# Allegro board SDHCalFEB20180110.brd (continued)
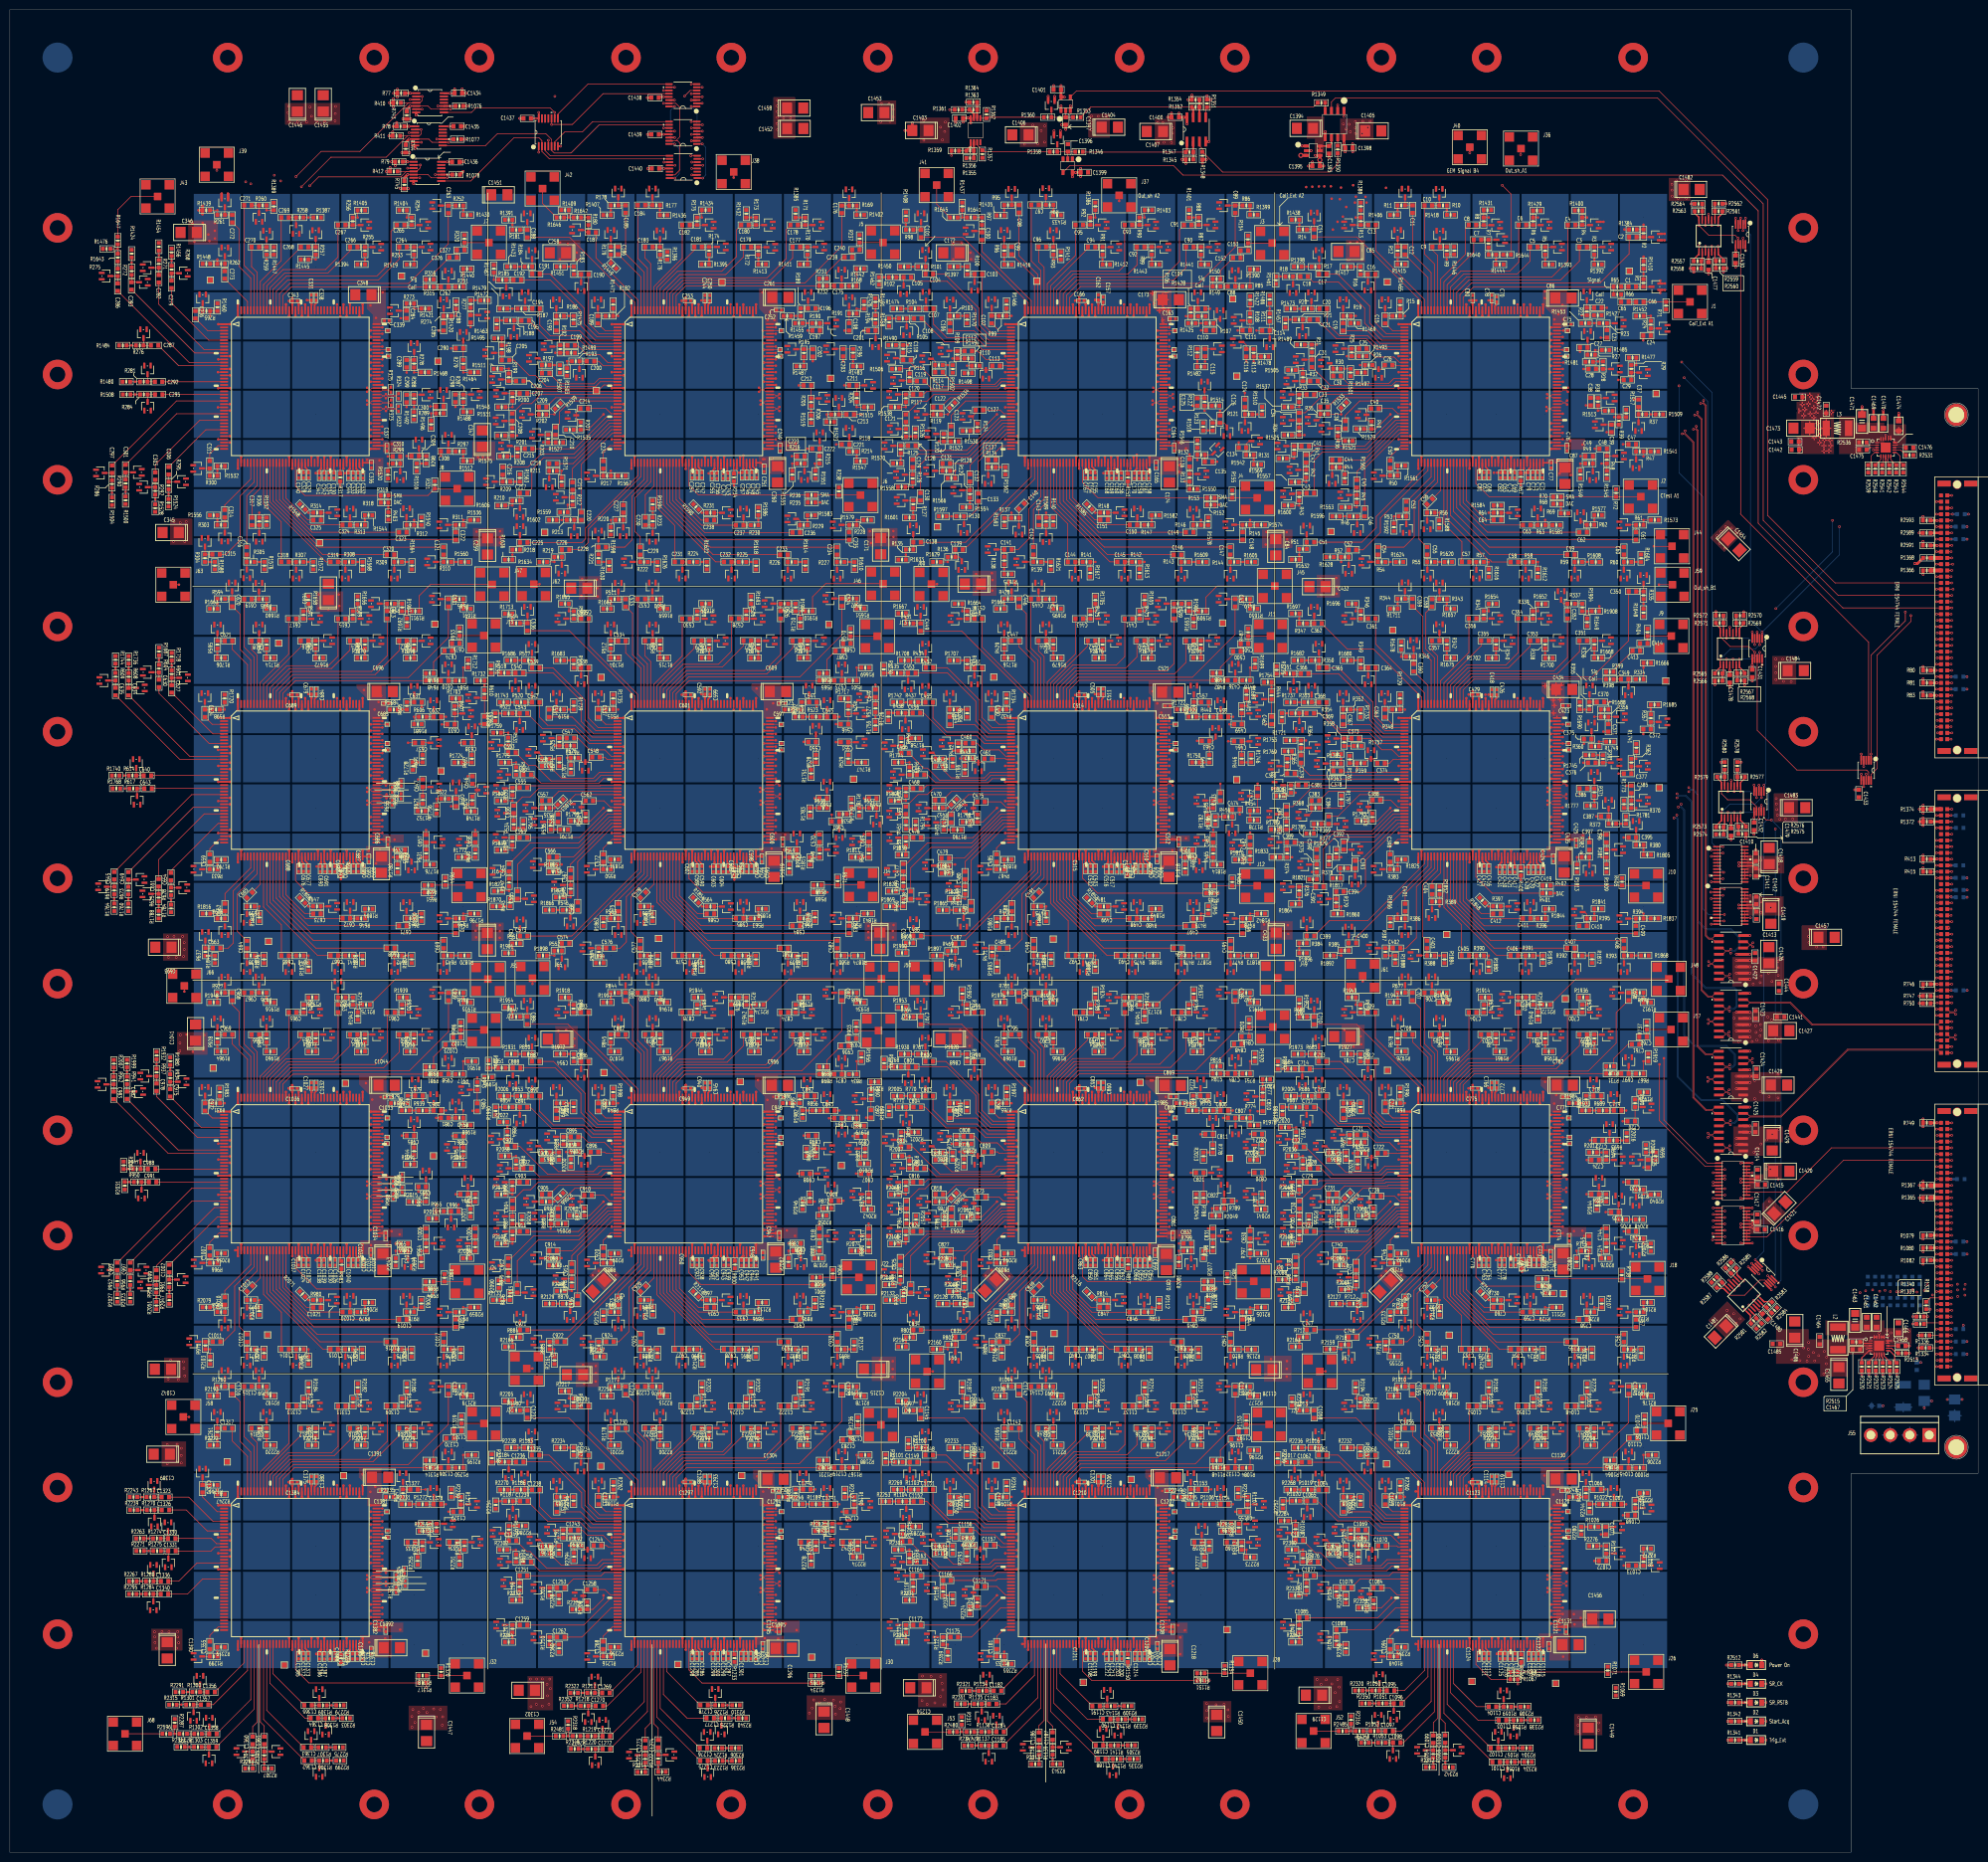
[diagram p0: board, top side]
## Routing (per net, layer and track width the routed paths; a pad name or vN(x,y) marks a point on that pad's centre or on a via; arc(x,y) is an arc through that point) (continued)
  SIG1 w0.127: v2(332.71,125.91) 334.2,124.42 v4(346.24,124.42)
  SIG2 w0.127: v2(72.65,129.05) 82.02,129.05 82.7,128.37 131.78,128.37 132.45,129.05 v2(152.66,129.05) 160.74,129.05 163.22,126.57 186.89,126.57 188.77,128.45 213.56,128.45 214.17,129.05 v2(232.67,129.05) 240.77,129.05 241.43,128.4 294.03,128.4 294.68,129.05 v2(312.68,129.05) 325.79,129.05 328.93,125.91 v2(332.71,125.91)
PWR_ON_DAC_D: length 352.4
  TOP w0.127: U1040.87 v1(73.38,49.04) ; U845.87 v1(313.41,49.04) ; U910.87 v1(233.4,49.04) ; U1053.12 v4(348.73,123.77) ; U975.87 v1(153.39,49.04)
  GND1 w0.127: v1(153.39,49.04) v2(152.66,49.04) ; v1(313.41,49.04) v2(312.68,49.04) ; v1(73.38,49.04) v2(72.65,49.04) ; v1(233.4,49.04) v2(232.67,49.04)
  SIG2 w0.127: v2(72.65,49.04) v2(152.66,49.04) v2(232.67,49.04) v2(312.68,49.04) 336.29,49.04 347.93,60.68 347.93,122.97 v4(348.73,123.77)
RAZ_CHNN: length 47.7
  TOP w0.102: v4(395.62,166.02) 395.33,165.72 394.5,165.72 J34.A4 ; U1056.7 353.21,161.49 353.74,160.97 354.06,160.97 v4(354.36,161.26)
  SIG2 w0.102: v4(395.62,166.02) 395.33,165.72 362.21,165.72 357.48,160.99 354.63,160.99 v4(354.36,161.26)
RAZ_CHNN_A: length 425.9
  TOP w0.102: U65.96 315.54,294.92 315.76,294.7 316.36,294.7 v1(316.66,295) ; v1(232.36,295) 232.66,294.7 233.42,294.7 233.63,294.92 U130.96 ; R323.2 77.13,294.7 75.73,294.7 75.51,294.92 U260.96 73.61,294.92 73.4,294.7 72.95,294.7 v1(72.65,295) ; U1056.9 346.76,162.76 346.23,162.24 344.9,162.24 343.26,163.88 343.26,289 342.93,289.32 v4(342.93,289.75) ; v1(152.66,295) 152.96,294.7 153.41,294.7 153.62,294.92 U195.96
  GND1 w0.102: v1(316.66,295) 316.95,294.7 317.72,294.7 v2(318.09,295.07) ; v2(233.79,295.07) 233.42,294.7 232.66,294.7 v1(232.36,295) ; v1(72.65,295) 72.95,294.7 73.71,294.7 v2(74.08,295.08) ; v2(154.09,295.07) 153.72,294.7 152.96,294.7 v1(152.66,295)
  SIG2 w0.102: v2(74.08,295.08) 74.45,294.7 78.4,294.7 78.97,295.27 128.27,295.27 128.84,294.7 153.72,294.7 v2(154.09,295.07) 154.46,294.7 169.58,294.7 170.1,295.22 209.09,295.22 209.61,294.7 233.42,294.7 v2(233.79,295.07) 234.16,294.7 254.62,294.7 258.01,291.31 286.51,291.31 289.9,294.7 317.72,294.7 v2(318.09,295.07) 318.37,294.79 322.73,294.79 323.91,293.61 338.62,293.61 342.49,289.75 v4(342.93,289.75)
RAZ_CHNN_B: length 349.1
  TOP w0.102: v1(236.49,214.99) 236.2,214.69 235.75,214.69 235.53,214.91 U390.96 ; v1(156.56,214.99) 156.26,214.69 155.74,214.69 155.52,214.91 U455.96 ; U325.96 315.54,214.91 315.76,214.69 316.21,214.69 v1(316.51,214.99) ; U1056.12 348.28,158.95 348.81,159.48 349.43,159.48 v4(349.73,159.18) ; R656.2 79.15,214.68 76.91,214.68 v1(76.6,214.99) 76.3,214.69 75.73,214.69 75.51,214.91 U520.96
  GND1 w0.102: v2(157.93,215.06) 157.56,214.69 156.86,214.69 v1(156.56,214.99) ; v2(78.01,215.06) 77.64,214.69 76.9,214.69 v1(76.6,214.99) ; v1(236.49,214.99) 236.79,214.69 237.26,214.69 v2(237.63,215.06) ; v1(316.51,214.99) 316.8,214.69 317.45,214.69 v2(317.82,215.06)
  SIG2 w0.102: v2(78.01,215.06) 78.38,214.69 81.29,214.69 81.74,215.14 126.8,215.14 127.24,214.69 157.56,214.69 v2(157.93,215.06) 158.3,214.69 161.1,214.69 161.54,215.14 206.48,215.14 206.92,214.69 237.26,214.69 v2(237.63,215.06) 238,214.69 255.79,214.69 256.62,213.87 265.1,213.87 266.36,215.13 286.6,215.13 287.03,214.69 317.45,214.69 v2(317.82,215.06) 318.19,214.69 318.94,214.69 319.56,214.07 338.33,214.07 339.43,212.97 v4(339.84,212.97)
  BOTTOM w0.102: v4(349.73,159.18) 350.03,159.48 350.41,159.48 350.89,159.96 350.89,162.14 349.07,163.96 342.67,163.96 340.58,166.05 340.58,211.82 339.84,212.56 v4(339.84,212.97)
RAZ_CHNN_C: length 301
  TOP w0.102: R989.2 79.41,134.68 76.77,134.68 v1(76.48,134.98) 76.18,134.68 75.73,134.68 75.51,134.9 U780.96 ; U585.96 315.54,134.9 315.76,134.68 316.21,134.68 v1(316.51,134.98) ; v4(345.27,157.45) 345.57,157.16 346.26,157.16 346.79,157.68 U1056.13 ; U715.96 155.52,134.9 155.74,134.68 156.19,134.68 v1(156.49,134.98) ; U650.96 235.53,134.9 235.75,134.68 236.22,134.68 v1(236.52,134.98)
  GND1 w0.102: v2(237.76,135.05) 237.39,134.68 236.82,134.68 v1(236.52,134.98) ; v1(156.49,134.98) 156.78,134.68 157.23,134.68 v2(157.6,135.05) ; v2(77.64,135.05) 77.27,134.68 76.77,134.68 v1(76.48,134.98) ; v2(317.72,135.05) 317.35,134.68 316.81,134.68 v1(316.51,134.98)
  SIG1 w0.102: v4(345.27,157.45) 344.97,157.16 340.49,157.16 329.2,145.86 329.2,143.78 320.1,134.68 318.09,134.68 v2(317.72,135.05)
  SIG2 w0.102: v2(317.72,135.05) 317.35,134.68 287.24,134.68 286.77,135.15 258.09,135.15 257.62,134.68 238.13,134.68 v2(237.76,135.05) 237.39,134.68 207.46,134.68 206.96,135.18 177.44,135.18 176.95,134.68 157.98,134.68 v2(157.6,135.05) 157.23,134.68 127.12,134.68 126.77,135.02 79.45,135.02 79.11,134.68 78.01,134.68 v2(77.64,135.05)
RAZ_CHNN_D: length 389.2
  TOP w0.102: U845.96 315.54,54.89 315.76,54.67 316.21,54.67 v1(316.51,54.97) ; v1(236.5,54.97) 236.2,54.67 235.75,54.67 235.53,54.89 U910.96 ; R1322.2 79.98,54.69 76.76,54.69 v1(76.48,54.97) 76.18,54.67 75.73,54.67 75.51,54.89 U1040.96 ; U1056.16 348.28,153.87 348.81,154.39 349.32,154.39 v4(349.61,154.1) ; U975.96 155.52,54.89 155.74,54.67 156.19,54.67 v1(156.49,54.97)
  GND1 w0.102: v2(77.59,55.06) 77.21,54.67 76.77,54.67 v1(76.48,54.97) ; v1(236.5,54.97) 236.8,54.67 237.24,54.67 v2(237.62,55.04) ; v1(316.51,54.97) 316.81,54.67 317.25,54.67 v2(317.63,55.04) ; v1(156.49,54.97) 156.78,54.67 157.23,54.67 v2(157.6,55.04)
  SIG2 w0.102: v4(349.61,154.1) 349.91,154.4 350.22,154.4 350.79,153.83 350.79,153.23 350.2,152.64 345.15,152.64 343.12,150.61 343.12,63.13 334.67,54.69 317.98,54.69 v2(317.63,55.04) 317.25,54.67 237.99,54.67 v2(237.62,55.04) 237.24,54.67 157.98,54.67 v2(157.6,55.04) 157.25,54.69 77.97,54.69 v2(77.59,55.06)
RAZ_CHNP: length 47.7
  TOP w0.102: U1056.6 353.21,160.22 353.74,160.75 354.06,160.75 v4(354.36,160.45) ; J34.A3 394.5,165.5 395.33,165.5 v4(395.62,165.2)
  SIG2 w0.102: v4(354.36,160.45) 354.67,160.77 357.57,160.77 362.3,165.5 395.33,165.5 v4(395.62,165.2)
RAZ_CHNP_A: length 425.9
  TOP w0.102: R323.1 77.11,294.49 75.73,294.49 75.51,294.27 U260.95 73.61,294.27 73.4,294.49 72.95,294.49 v1(72.65,294.19) ; U130.95 233.63,294.27 233.42,294.49 232.66,294.49 v1(232.36,294.19) ; v1(316.66,294.19) 316.36,294.49 315.76,294.49 315.54,294.27 U65.95 ; U1056.10 346.76,161.49 346.23,162.02 344.81,162.02 343.04,163.79 343.04,288.91 342.78,289.17 v4(342.36,289.17) ; v1(152.66,294.19) 152.96,294.49 153.41,294.49 153.62,294.27 U195.95
  GND1 w0.102: v1(232.36,294.19) 232.66,294.49 233.42,294.49 v2(233.79,294.12) ; v2(154.09,294.12) 153.72,294.49 152.96,294.49 v1(152.66,294.19) ; v2(74.08,294.12) 73.71,294.49 72.95,294.49 v1(72.65,294.19) ; v1(316.66,294.19) 316.95,294.49 317.72,294.49 v2(318.09,294.12)
  SIG2 w0.102: v4(342.36,289.17) 342.36,289.57 338.53,293.4 323.82,293.4 322.64,294.58 318.55,294.58 v2(318.09,294.12) 317.72,294.49 289.99,294.49 286.6,291.1 257.92,291.1 254.53,294.49 234.16,294.49 v2(233.79,294.12) 233.42,294.49 209.52,294.49 209,295.01 170.19,295.01 169.67,294.49 154.46,294.49 v2(154.09,294.12) 153.72,294.49 128.75,294.49 128.18,295.06 79.06,295.06 78.49,294.49 74.45,294.49 v2(74.08,294.12)
RAZ_CHNP_B: length 348.3
  TOP w0.102: U325.95 315.54,214.26 315.76,214.48 316.21,214.48 v1(316.51,214.18) ; v1(236.49,214.18) 236.2,214.48 235.75,214.48 235.53,214.26 U390.95 ; v1(156.56,214.18) 156.26,214.48 155.74,214.48 155.52,214.26 U455.95 ; U520.95 75.51,214.26 75.73,214.48 76.3,214.48 v1(76.6,214.18) 76.89,214.46 79.16,214.46 R656.1 ; U1056.11 348.28,160.22 348.81,159.7 349.43,159.7 v4(349.73,159.99)
  GND1 w0.102: v1(156.56,214.18) 156.86,214.48 157.56,214.48 v2(157.93,214.1) ; v1(76.6,214.18) 76.9,214.48 77.64,214.48 v2(78.01,214.1) ; v1(316.51,214.18) 316.8,214.48 317.45,214.48 v2(317.82,214.1) ; v2(237.63,214.1) 237.26,214.48 236.79,214.48 v1(236.49,214.18)
  SIG2 w0.102: v2(78.01,214.1) 78.38,214.48 81.38,214.48 81.83,214.92 126.71,214.92 127.15,214.48 157.56,214.48 v2(157.93,214.1) 158.3,214.48 161.19,214.48 161.63,214.92 206.39,214.92 206.83,214.48 237.26,214.48 v2(237.63,214.1) 238,214.48 255.7,214.48 256.53,213.65 265.19,213.65 266.45,214.91 286.51,214.91 286.94,214.48 317.45,214.48 v2(317.82,214.1) 318.19,214.48 318.85,214.48 319.47,213.85 338.24,213.85 339.27,212.83 v4(339.27,212.39)
  BOTTOM w0.102: v4(349.73,159.99) 350.03,159.7 350.32,159.7 350.68,160.05 350.68,162.05 348.98,163.74 342.58,163.74 340.36,165.96 340.36,211.73 339.7,212.39 v4(339.27,212.39)
RAZ_CHNP_C: length 301
  TOP w0.102: v1(236.52,134.17) 236.22,134.47 235.75,134.47 235.53,134.25 U650.95 ; U780.95 75.51,134.25 75.73,134.47 76.18,134.47 v1(76.48,134.17) 76.77,134.47 79.4,134.47 R989.1 ; v1(316.51,134.17) 316.21,134.47 315.76,134.47 315.54,134.25 U585.95 ; U715.95 155.52,134.25 155.74,134.47 156.19,134.47 v1(156.49,134.17) ; v4(345.27,156.64) 345.57,156.94 346.26,156.94 346.79,156.41 U1056.14
  GND1 w0.102: v2(77.64,134.1) 77.27,134.47 76.77,134.47 v1(76.48,134.17) ; v1(156.49,134.17) 156.78,134.47 157.23,134.47 v2(157.6,134.1) ; v2(317.72,134.1) 317.35,134.47 316.81,134.47 v1(316.51,134.17) ; v1(236.52,134.17) 236.82,134.47 237.39,134.47 v2(237.76,134.1)
  SIG1 w0.102: v4(345.27,156.64) 344.97,156.94 340.58,156.94 329.41,145.77 329.41,143.69 320.19,134.47 318.09,134.47 v2(317.72,134.1)
  SIG2 w0.102: v2(77.64,134.1) 78.01,134.47 79.2,134.47 79.54,134.81 126.68,134.81 127.03,134.47 157.23,134.47 v2(157.6,134.1) 157.98,134.47 177.04,134.47 177.53,134.96 206.87,134.96 207.37,134.47 237.39,134.47 v2(237.76,134.1) 238.13,134.47 257.71,134.47 258.18,134.94 286.68,134.94 287.15,134.47 317.35,134.47 v2(317.72,134.1)
RAZ_CHNP_D: length 389.9
  TOP w0.102: v1(156.49,54.16) 156.19,54.46 155.74,54.46 155.52,54.24 U975.95 ; v1(316.51,54.16) 316.21,54.46 315.76,54.46 315.54,54.24 U845.95 ; U910.95 235.53,54.24 235.75,54.46 236.2,54.46 v1(236.5,54.16) ; U1040.95 75.51,54.24 75.73,54.46 76.18,54.46 v1(76.48,54.16) 76.79,54.47 80,54.47 R1322.1 ; U1056.15 348.28,155.14 348.82,154.61 349.31,154.61 v4(349.61,154.91)
  GND1 w0.102: v2(317.63,54.08) 317.25,54.46 316.81,54.46 v1(316.51,54.16) ; v2(157.6,54.08) 157.23,54.46 156.78,54.46 v1(156.49,54.16) ; v1(236.5,54.16) 236.8,54.46 237.24,54.46 v2(237.62,54.08) ; v1(76.48,54.16) 76.77,54.46 77.24,54.46 v2(77.59,54.1)
  SIG2 w0.102: v4(349.61,154.91) 349.91,154.62 350.31,154.62 351,153.92 351,153.14 350.29,152.43 345.24,152.43 343.33,150.52 343.33,63.04 334.76,54.47 318.01,54.47 v2(317.63,54.08) 317.25,54.46 237.99,54.46 v2(237.62,54.08) 237.24,54.46 157.98,54.46 v2(157.6,54.08) 157.22,54.47 77.97,54.47 v2(77.59,54.1)
READOUT1_A1TOA2: length 91.3
  TOP w0.127: TP23.1 236.82,304.02 U130.110 v1(233.4,304.02) ; U65.112 v1(315.77,305.32) 316.57,305.32 TP15.1
  GND1 w0.127: v2(232.66,304.02) v1(233.4,304.02) ; v1(315.77,305.32) v2(316.51,305.32)
  SIG2 w0.127: v2(316.51,305.32) 270.52,305.32 269.52,304.32 237.39,304.32 237.09,304.02 v2(232.66,304.02)
READOUT1_A2TOA3: length 87.2
  TOP w0.127: v1(153.39,304.02) 154.57,304.02 U195.110 156.69,304.02 SRD4.1 ; v1(233.4,305.32) U130.112 236.75,305.32 TP24.1
  GND1 w0.127: v1(233.4,305.32) v2(232.66,305.32) ; v1(153.39,304.02) v2(154.13,304.02)
  SIG2 w0.127: v2(154.13,304.02) 157.11,304.02 157.56,304.47 196.47,304.47 197.32,305.32 v2(232.66,305.32)
READOUT1_A3TOA4: length 88.9
  TOP w0.127: TP35.1 156.63,305.32 U195.112 v1(153.39,305.32) ; v1(73.38,304.02) U260.110 76.98,304.02 TP45.1
  GND1 w0.127: v1(73.38,304.02) v2(72.64,304.02) ; v1(153.39,305.32) v2(152.65,305.32)
  SIG2 w0.127: v2(72.64,304.02) 106.15,304.02 107.45,305.32 v2(152.65,305.32)
READOUT1_B1TOB2: length 91.9
  TOP w0.127: TP56.1 237.06,224.01 U390.110 234.58,224.01 v1(233.4,224.01) ; U325.112 v1(315.77,225.31) 316.94,225.31 RD.1
  GND1 w0.127: v1(315.77,225.31) v2(316.51,225.31) ; v1(233.4,224.01) v2(232.66,224.01)
  SIG2 w0.127: v2(232.66,224.01) 250.12,224.01 250.6,224.49 267.92,224.49 268.74,225.31 v2(316.51,225.31)
READOUT1_B2TOB3: length 87.7
  TOP w0.127: TP67.1 156.92,224.01 U455.110 154.57,224.01 v1(153.39,224.01) ; TP57.1 234.59,225.31 U390.112 v1(233.4,225.31)
  GND1 w0.127: v1(233.4,225.31) v2(232.66,225.31) ; v1(153.39,224.01) v2(154.13,224.01)
  SIG2 w0.127: v2(154.13,224.01) 184.06,224.01 185.35,225.31 v2(232.66,225.31)
READOUT1_B3TOB4: length 89
  TOP w0.127: v1(153.39,225.31) U455.112 156.92,225.31 TP68.1 ; TP78.1 76.81,224.01 U520.110 v1(73.38,224.01)
  GND1 w0.127: v1(153.39,225.31) v2(152.65,225.31) ; v1(73.38,224.01) v2(72.64,224.01)
  SIG2 w0.127: v2(152.65,225.31) 101.08,225.31 99.78,224.01 v2(72.64,224.01)
READOUT1_C1TOC2: length 89.6
  TOP w0.127: U650.110 v1(233.4,144) ; U585.112 v1(315.78,145.3) 317.14,145.3 TP90.1
  GND1 w0.127: v1(315.78,145.3) v2(316.51,145.3) ; v1(233.4,144) v2(232.67,144)
  SIG2 w0.127: v2(232.67,144) 239.53,144 239.93,144.4 266.73,144.4 267.64,145.31 315.95,145.31 315.97,145.3 v2(316.51,145.3)
READOUT1_C2TOC3: length 86.6
  TOP w0.127: U650.112 v1(233.4,145.3) ; v1(153.39,144) U715.110 156.79,144 TP111.1
  GND1 w0.127: v1(153.39,144) v2(152.66,144) ; v1(233.4,145.3) v2(232.67,145.3)
  SIG2 w0.127: v2(232.67,145.3) 184.97,145.3 183.67,144 v2(152.66,144)
READOUT1_C3TOC4: length 88.7
  TOP w0.127: TP124.1 76.68,144 U780.110 v1(73.38,144) ; v1(153.39,145.3) U715.112 156.79,145.3 TP112.1
  GND1 w0.127: v1(73.38,144) v2(72.65,144) ; v1(153.39,145.3) v2(152.66,145.3)
  SIG2 w0.127: v2(72.65,144) 102.6,144 103.9,145.3 v2(152.66,145.3)
READOUT1_D1TOD2: length 87.9
  TOP w0.127: U845.112 v1(315.78,65.29) 316.89,65.29 TP136.1 ; U910.110 v1(233.4,63.99)
  GND1 w0.127: v1(315.78,65.29) v2(316.51,65.29) ; v1(233.4,63.99) v2(234.14,63.99)
  SIG2 w0.127: v2(234.14,63.99) 263.61,63.99 264.91,65.29 v2(316.51,65.29)
READOUT1_D2TOD3: length 85.2
  TOP w0.127: TP155.1 156.82,63.99 U975.110 v1(153.39,63.99) ; U910.112 v1(233.4,65.29)
  GND1 w0.127: v1(233.4,65.29) v2(232.67,65.29) ; v1(153.39,63.99) v2(154.13,63.99)
  SIG2 w0.127: v2(154.13,63.99) 187.69,63.99 188.99,65.29 v2(232.67,65.29)
READOUT1_D3TOD4: length 87.5
  TOP w0.127: v1(73.38,63.99) U1040.110 76.86,63.99 TP168.1 ; TP156.1 156.82,65.29 U975.112 v1(153.39,65.29)
  GND1 w0.127: v1(153.39,65.29) v2(152.66,65.29) ; v1(73.38,63.99) v2(74.12,63.99)
  SIG2 w0.127: v2(152.66,65.29) 106.51,65.29 105.21,63.99 v2(74.12,63.99)
READOUT2_A1TOA2: length 80.5
  TOP w0.127: v1(235.76,304.67) U130.111 ; U65.113 v1(313.41,305.97)
  GND1 w0.127: v1(313.41,305.97) v2(312.67,305.97) ; v2(236.5,304.67) v1(235.76,304.67)
  SIG2 w0.127: v2(236.5,304.67) 237.04,305.21 268.88,305.21 269.65,305.97 v2(312.67,305.97)
READOUT2_A2TOA3: length 84.4
  TOP w0.127: U130.113 v1(235.76,305.97) ; v1(155.75,304.67) 154.57,304.67 U195.111
  GND1 w0.127: v1(235.76,305.97) v2(236.5,305.97) ; v2(156.49,304.67) v1(155.75,304.67)
  SIG2 w0.127: v2(156.49,304.67) 157.05,305.23 194.54,305.23 195.28,305.97 v2(236.5,305.97)
READOUT2_A3TOA4: length 84.4
  TOP w0.127: U260.111 v1(75.74,304.67) ; U195.113 v1(155.75,305.97)
  GND1 w0.127: v1(75.74,304.67) v2(76.48,304.67) ; v1(155.75,305.97) v2(156.49,305.97)
  SIG2 w0.127: v2(156.49,305.97) 105.94,305.97 104.65,304.67 v2(76.48,304.67)
READOUT2_B1TOB2: length 80.5
  TOP w0.127: U390.111 234.58,224.66 v1(235.76,224.66) ; U325.113 v1(313.41,225.96)
  GND1 w0.127: v1(235.76,224.66) v2(236.5,224.66) ; v1(313.41,225.96) v2(312.68,225.96)
  SIG2 w0.127: v2(312.68,225.96) 267.49,225.96 266.65,225.12 249.99,225.12 249.53,224.66 v2(236.5,224.66)
READOUT2_B2TOB3: length 84.4
  TOP w0.127: U455.111 154.57,224.66 v1(155.75,224.66) ; U390.113 v1(235.76,225.96)
  GND1 w0.127: v1(155.75,224.66) v2(156.49,224.66) ; v1(235.76,225.96) v2(236.5,225.96)
  SIG2 w0.127: v2(156.49,224.66) 183.33,224.66 184.63,225.96 v2(236.5,225.96)
READOUT2_B3TOB4: length 84.4
  TOP w0.127: U520.111 v1(75.74,224.66) ; U455.113 v1(155.75,225.96)
  GND1 w0.127: v1(75.74,224.66) v2(76.48,224.66) ; v1(155.75,225.96) v2(156.49,225.96)
  SIG2 w0.127: v2(76.48,224.66) 96.67,224.66 97.97,225.96 v2(156.49,225.96)
READOUT2_C1TOC2: length 80.5
  TOP w0.127: U650.111 v1(235.76,144.65) ; U585.113 v1(313.41,145.95)
  GND1 w0.127: v1(235.76,144.65) v2(236.5,144.65) ; v1(313.41,145.95) v2(312.68,145.95)
  SIG2 w0.127: v2(312.68,145.95) 265.36,145.95 264.59,145.19 239.7,145.19 239.16,144.65 v2(236.5,144.65)
READOUT2_C2TOC3: length 84.4
  TOP w0.127: U650.113 v1(235.76,145.95) ; U715.111 v1(155.75,144.65)
  GND1 w0.127: v1(235.76,145.95) v2(236.5,145.95) ; v1(155.75,144.65) v2(156.49,144.65)
  SIG2 w0.127: v2(236.5,145.95) 184.41,145.95 183.11,144.65 v2(156.49,144.65)
READOUT2_C3TOC4: length 84.4
  TOP w0.127: U780.111 v1(75.74,144.65) ; U715.113 v1(155.75,145.95)
  GND1 w0.127: v1(75.74,144.65) v2(76.48,144.65) ; v1(155.75,145.95) v2(156.49,145.95)
  SIG2 w0.127: v2(76.48,144.65) 101.44,144.65 102.74,145.95 v2(156.49,145.95)
READOUT2_D1TOD2: length 80.5
  TOP w0.127: U845.113 v1(313.41,65.94) ; U910.111 v1(235.76,64.64)
  GND1 w0.127: v1(313.41,65.94) v2(312.68,65.94) ; v1(235.76,64.64) v2(236.5,64.64)
  SIG2 w0.127: v2(312.68,65.94) 263.7,65.94 262.4,64.64 v2(236.5,64.64)
READOUT2_D2TOD3: length 84.4
  TOP w0.127: U910.113 v1(235.76,65.94) ; U975.111 v1(155.75,64.64)
  GND1 w0.127: v1(155.75,64.64) v2(156.49,64.64) ; v1(235.76,65.94) v2(236.5,65.94)
  SIG2 w0.127: v2(236.5,65.94) 188.67,65.94 187.37,64.64 v2(156.49,64.64)
READOUT2_D3TOD4: length 84.4
  TOP w0.127: U1040.111 v1(75.74,64.64) ; U975.113 v1(155.75,65.94)
  GND1 w0.127: v1(155.75,65.94) v2(156.49,65.94) ; v1(75.74,64.64) v2(76.48,64.64)
  SIG2 w0.127: v2(76.48,64.64) 104.92,64.64 106.22,65.94 v2(156.49,65.94)
RESET_B: length 44.7
  TOP w0.127: U1051.15 U1051.14 ; U1051.15 U1051.16 U1051.17 ; U1051.15 v4(353.94,189.89) ; J34.A21 v4(394.33,187.84)
  SIG2 w0.127: v4(394.33,187.84) 393.68,188.49 355.33,188.49 v4(353.94,189.89)
RESET_B_A: length 392.2
  TOP w0.127: U260.102 v1(73.38,298.82) ; U65.102 v1(315.81,298.82) ; v1(233.38,298.82) U130.102 ; v1(153.31,298.82) 154.57,298.82 U195.102 ; U1051.9 v4(348.65,190.54)
  GND1 w0.127: v1(73.38,298.82) v2(72.64,298.82) ; v1(233.38,298.82) v2(232.64,298.82) ; v1(153.31,298.82) v2(152.58,298.82) ; v1(315.81,298.82) v2(316.6,298.82)
  SIG2 w0.127: v2(72.64,298.82) 74.61,298.82 75.13,298.3 147.02,298.3 147.54,298.82 v2(152.58,298.82) 178.37,298.82 179.07,298.12 209.52,298.12 210.22,298.82 v2(232.64,298.82) 235.75,298.82 236.27,298.3 258.65,298.3 260.02,296.93 311.79,296.93 313.68,298.82 v2(316.6,298.82) 318.86,298.82 319.68,297.99 v4(339.42,297.99)
  BOTTOM w0.127: v4(339.42,297.99) 339.42,280.31 344.32,275.41 344.32,191.64 345.43,190.54 v4(348.65,190.54)
RESET_B_B: length 311
  TOP w0.127: U1051.10 v4(345.9,189.89) ; U520.102 v1(73.38,218.81) ; U325.102 v1(315.77,218.81) ; v1(233.4,218.81) U390.102 ; U455.102 v1(153.39,218.81)
  GND1 w0.127: v1(315.77,218.81) v2(316.51,218.81) ; v1(233.4,218.81) v2(234.14,218.81) ; v1(73.38,218.81) v2(74.12,218.81) ; v1(153.39,218.81) v2(152.65,218.81)
  SIG2 w0.127: v2(342.47,219.18) 340.06,219.18 338.58,217.7 320.8,217.7 319.7,218.81 v2(316.51,218.81) 314.62,218.81 313.46,217.65 269.98,217.65 269.13,218.5 239.53,218.5 239.23,218.81 v2(234.14,218.81) 232.91,218.81 232.26,218.16 158.85,218.16 158.2,218.81 v2(152.65,218.81) 152.08,218.24 96.01,218.24 95.44,218.81 v2(74.12,218.81)
  SIG3 w0.127: v4(345.9,189.89) 342.47,193.32 v2(342.47,219.18)
RESET_B_C: length 318.5
  TOP w0.127: U715.102 v1(153.39,138.8) ; U1051.11 v4(348.57,189.24) ; v1(315.78,138.8) U585.102 ; U650.102 v1(233.4,138.8) ; U780.102 v1(73.38,138.8)
  GND1 w0.127: v1(315.78,138.8) v2(316.51,138.8) ; v1(233.4,138.8) v2(234.14,138.8) ; v1(153.39,138.8) v2(152.66,138.8) ; v1(73.38,138.8) v2(72.65,138.8)
  SIG1 w0.127: v4(348.57,189.24) 348.57,187.99 321.63,161.05 321.63,143.92 v2(316.51,138.8)
  SIG2 w0.127: v2(72.65,138.8) 78.29,138.8 78.89,138.2 152.06,138.2 v2(152.66,138.8) 158.79,138.8 159.08,138.51 190.09,138.51 190.42,138.18 208.05,138.18 208.23,138.35 232.59,138.35 233.03,138.8 v2(234.14,138.8) 256.53,138.8 257.48,137.85 313.89,137.85 314.85,138.8 v2(316.51,138.8)
RESET_B_D: length 400.5
  TOP w0.127: U975.102 v1(153.39,58.79) ; U1040.102 v1(73.38,58.79) ; U1051.12 347.15,188.59 v4(345.97,188.59) ; U910.102 v1(233.4,58.79) ; U845.102 v1(315.78,58.79)
  GND1 w0.127: v1(233.4,58.79) v2(234.14,58.79) ; v1(153.39,58.79) v2(154.13,58.79) ; v1(73.38,58.79) v2(72.65,58.79) ; v1(315.78,58.79) v2(316.51,58.79)
  SIG2 w0.127: v2(72.65,58.79) 78.27,58.79 79.1,57.96 153.3,57.96 v2(154.13,58.79) 158.76,58.79 159.38,58.17 233.52,58.17 v2(234.14,58.79) 238.82,58.79 239.47,58.14 313.49,58.14 314.14,58.79 v2(316.51,58.79) 316.78,58.52 322.78,58.52 340.77,76.5 340.77,183.39 v4(345.97,188.59)
ROWSELECT0: length 54.3
  TOP w0.127: v4(385.44,252.02) 385.44,250.24 378.47,243.27 v4(378.47,223.16) U1073.1 ; J35.B32 v4(391.92,265.56)
  TOP w0.508: R2591.1 391.92,265.56 v4(391.92,265.56)
  SIG1 w0.127: v4(385.44,252.02) 385.44,264.11 386.89,265.56 v4(391.92,265.56)
ROWSELECT1: length 60.3
  TOP w0.127: U1073.10 378.47,219.01 379.7,220.24 379.7,243.26 386.56,250.11 v4(386.56,251.31) ; J35.A33 v4(394.75,266.83)
  SIG1 w0.127: v4(386.56,251.31) 386.56,263.37 388.11,264.92 392.85,264.92 v4(394.75,266.83)
  BOTTOM w0.508: v4(394.75,266.83) 394.75,266.83 R2590.1
ROWSELECT2: length 2.2
  TOP w0.508: R2589.1 392.7,268.1 J35.B34
RST_COUNTERB: length 44.1
  TOP w0.127: v4(353.94,194.44) U1051.22 ; U1051.22 U1051.23 ; U1051.22 U1051.21 U1051.20 ; J34.B22 v4(391.82,189.11)
  SIG1 w0.127: v4(391.82,189.11) 359.27,189.11 v4(353.94,194.44)
RST_COUNTERB_A: length 386.8
  TOP w0.127: v1(235.76,303.37) U130.109 ; U1051.1 v4(348.63,195.74) ; U65.109 v1(313.41,303.37) ; U260.109 v1(75.74,303.37) ; v1(155.75,303.37) 154.57,303.37 U195.109
  GND1 w0.127: v1(313.41,303.37) v2(312.67,303.37) ; v2(76.48,303.37) v1(75.74,303.37) ; v2(156.49,303.37) v1(155.75,303.37) ; v2(236.5,303.37) v1(235.76,303.37)
  SIG2 w0.127: v4(340.46,299.64) 326.67,299.64 326.54,299.77 326.07,299.77 325.95,299.64 321.84,299.64 318.13,303.35 313.24,303.35 313.22,303.37 v2(312.67,303.37) 312.03,304.01 284.96,304.01 284.28,304.7 275.41,304.7 274.37,303.66 237.87,303.66 237.58,303.37 v2(236.5,303.37) 232.27,303.37 231.62,304.01 203.48,304.01 202.9,304.59 198.65,304.59 198.22,304.17 191.08,304.17 190.68,303.76 158.04,303.76 157.65,303.37 v2(156.49,303.37) 153.22,303.37 152.55,304.04 124.52,304.04 123.86,304.7 111.43,304.7 110.1,303.37 v2(76.48,303.37)
  BOTTOM w0.127: v4(348.63,195.74) 346.09,195.74 345.2,196.64 345.2,198.67 345.24,198.71 345.24,294.87 v4(340.46,299.64)
RST_COUNTERB_B: length 306.4
  TOP w0.127: U455.109 v1(155.75,223.36) ; U520.109 v1(75.74,223.36) ; v1(235.76,223.36) U390.109 ; U1051.2 v4(345.87,195.09) ; U325.109 v1(313.41,223.36)
  GND1 w0.127: v1(155.75,223.36) v2(156.49,223.36) ; v1(75.74,223.36) v2(76.48,223.36) ; v1(313.41,223.36) v2(312.68,223.36) ; v1(235.76,223.36) v2(236.5,223.36)
  SIG2 w0.127: v2(76.48,223.36) 100.45,223.36 100.84,223.75 113.84,223.75 114.73,224.64 123.95,224.64 124.56,224.03 152.25,224.03 152.92,223.36 v2(156.49,223.36) 184.6,223.36 185.93,224.69 203.86,224.69 204.46,224.09 231.74,224.09 232.47,223.36 v2(236.5,223.36) 250.54,223.36 250.72,223.55 281.81,223.55 281.97,223.39 284.02,223.39 284.66,224.03 303.81,224.03 304.48,223.36 v2(312.68,223.36) 313.22,223.36 313.23,223.37 318.87,223.37 321.72,220.52 v2(343.46,220.52)
  SIG3 w0.127: v2(343.46,220.52) 343.46,197.5 v4(345.87,195.09)
RST_COUNTERB_C: length 317.6
  TOP w0.127: U780.109 v1(75.74,143.35) ; U1051.3 v4(348.34,194.44) ; U650.109 v1(235.76,143.35) ; U585.109 v1(313.41,143.35) ; U715.109 v1(155.75,143.35)
  GND1 w0.127: v1(313.41,143.35) v2(312.68,143.35) ; v1(155.75,143.35) v2(156.49,143.35) ; v1(75.74,143.35) v2(76.48,143.35) ; v1(235.76,143.35) v2(236.5,143.35)
  SIG1 w0.127: v2(312.68,143.35) 317.7,143.35 320.78,146.43 320.78,166.88 v4(348.34,194.44)
  SIG2 w0.127: v2(312.68,143.35) 312.01,144.02 284.43,144.02 283.84,143.43 280.32,143.43 279.22,144.53 269.11,144.53 268.35,143.76 240.39,143.76 239.97,143.35 v2(236.5,143.35) 232.11,143.35 231.44,144.02 204.27,144.02 203.63,144.65 185.67,144.65 184.37,143.35 v2(156.49,143.35) 152.43,143.35 151.79,143.99 124.26,143.99 123.49,144.75 105.71,144.75 104.31,143.35 v2(76.48,143.35)
RST_COUNTERB_D: length 400.7
  TOP w0.127: U845.109 v1(313.41,63.34) ; U910.109 v1(235.76,63.34) ; v4(345.97,193.79) U1051.4 ; U975.109 v1(155.75,63.34) ; U1040.109 v1(75.74,63.34)
  GND1 w0.127: v1(235.76,63.34) v2(236.5,63.34) ; v1(313.41,63.34) v2(314.15,63.34) ; v1(75.74,63.34) v2(76.48,63.34) ; v1(155.75,63.34) v2(156.49,63.34)
  SIG2 w0.127: v2(76.48,63.34) 105.81,63.34 107.11,64.64 123.95,64.64 124.61,63.98 152.93,63.98 153.58,63.34 v2(156.49,63.34) 187.88,63.34 189.2,64.67 203.66,64.67 204.32,64.01 232.64,64.01 233.31,63.34 v2(236.5,63.34) 265.52,63.34 266.83,64.64 283.77,64.64 284.43,63.98 313.51,63.98 v2(314.15,63.34) 326.61,63.34 339.98,76.71 339.98,187.8 v4(345.97,193.79)
SELECT: length 48.6
  TOP w0.127: J34.A23 v4(394.75,190.38) ; U1050.15 U1050.16 U1050.17 ; U1050.15 v4(353.94,198.47) ; U1050.15 U1050.14
  SIG2 w0.127: v4(353.94,198.47) 362.62,189.79 394.17,189.79 v4(394.75,190.38)
